# Altium PCB STB_LightBoard.PcbDoc (part 12 of 31)
Units mm, origin at the board's own origin, x right, y up, seen from the top; angles counter-clockwise.
Board outline 348 x 348 mm, 2 copper layers (Top Layer, Bottom Layer), stack 1.672 mm thick; 3807 components, 3391 nets, 11616 pads, 2553 vias.
Unrouted connection lines stored in the file: 68.
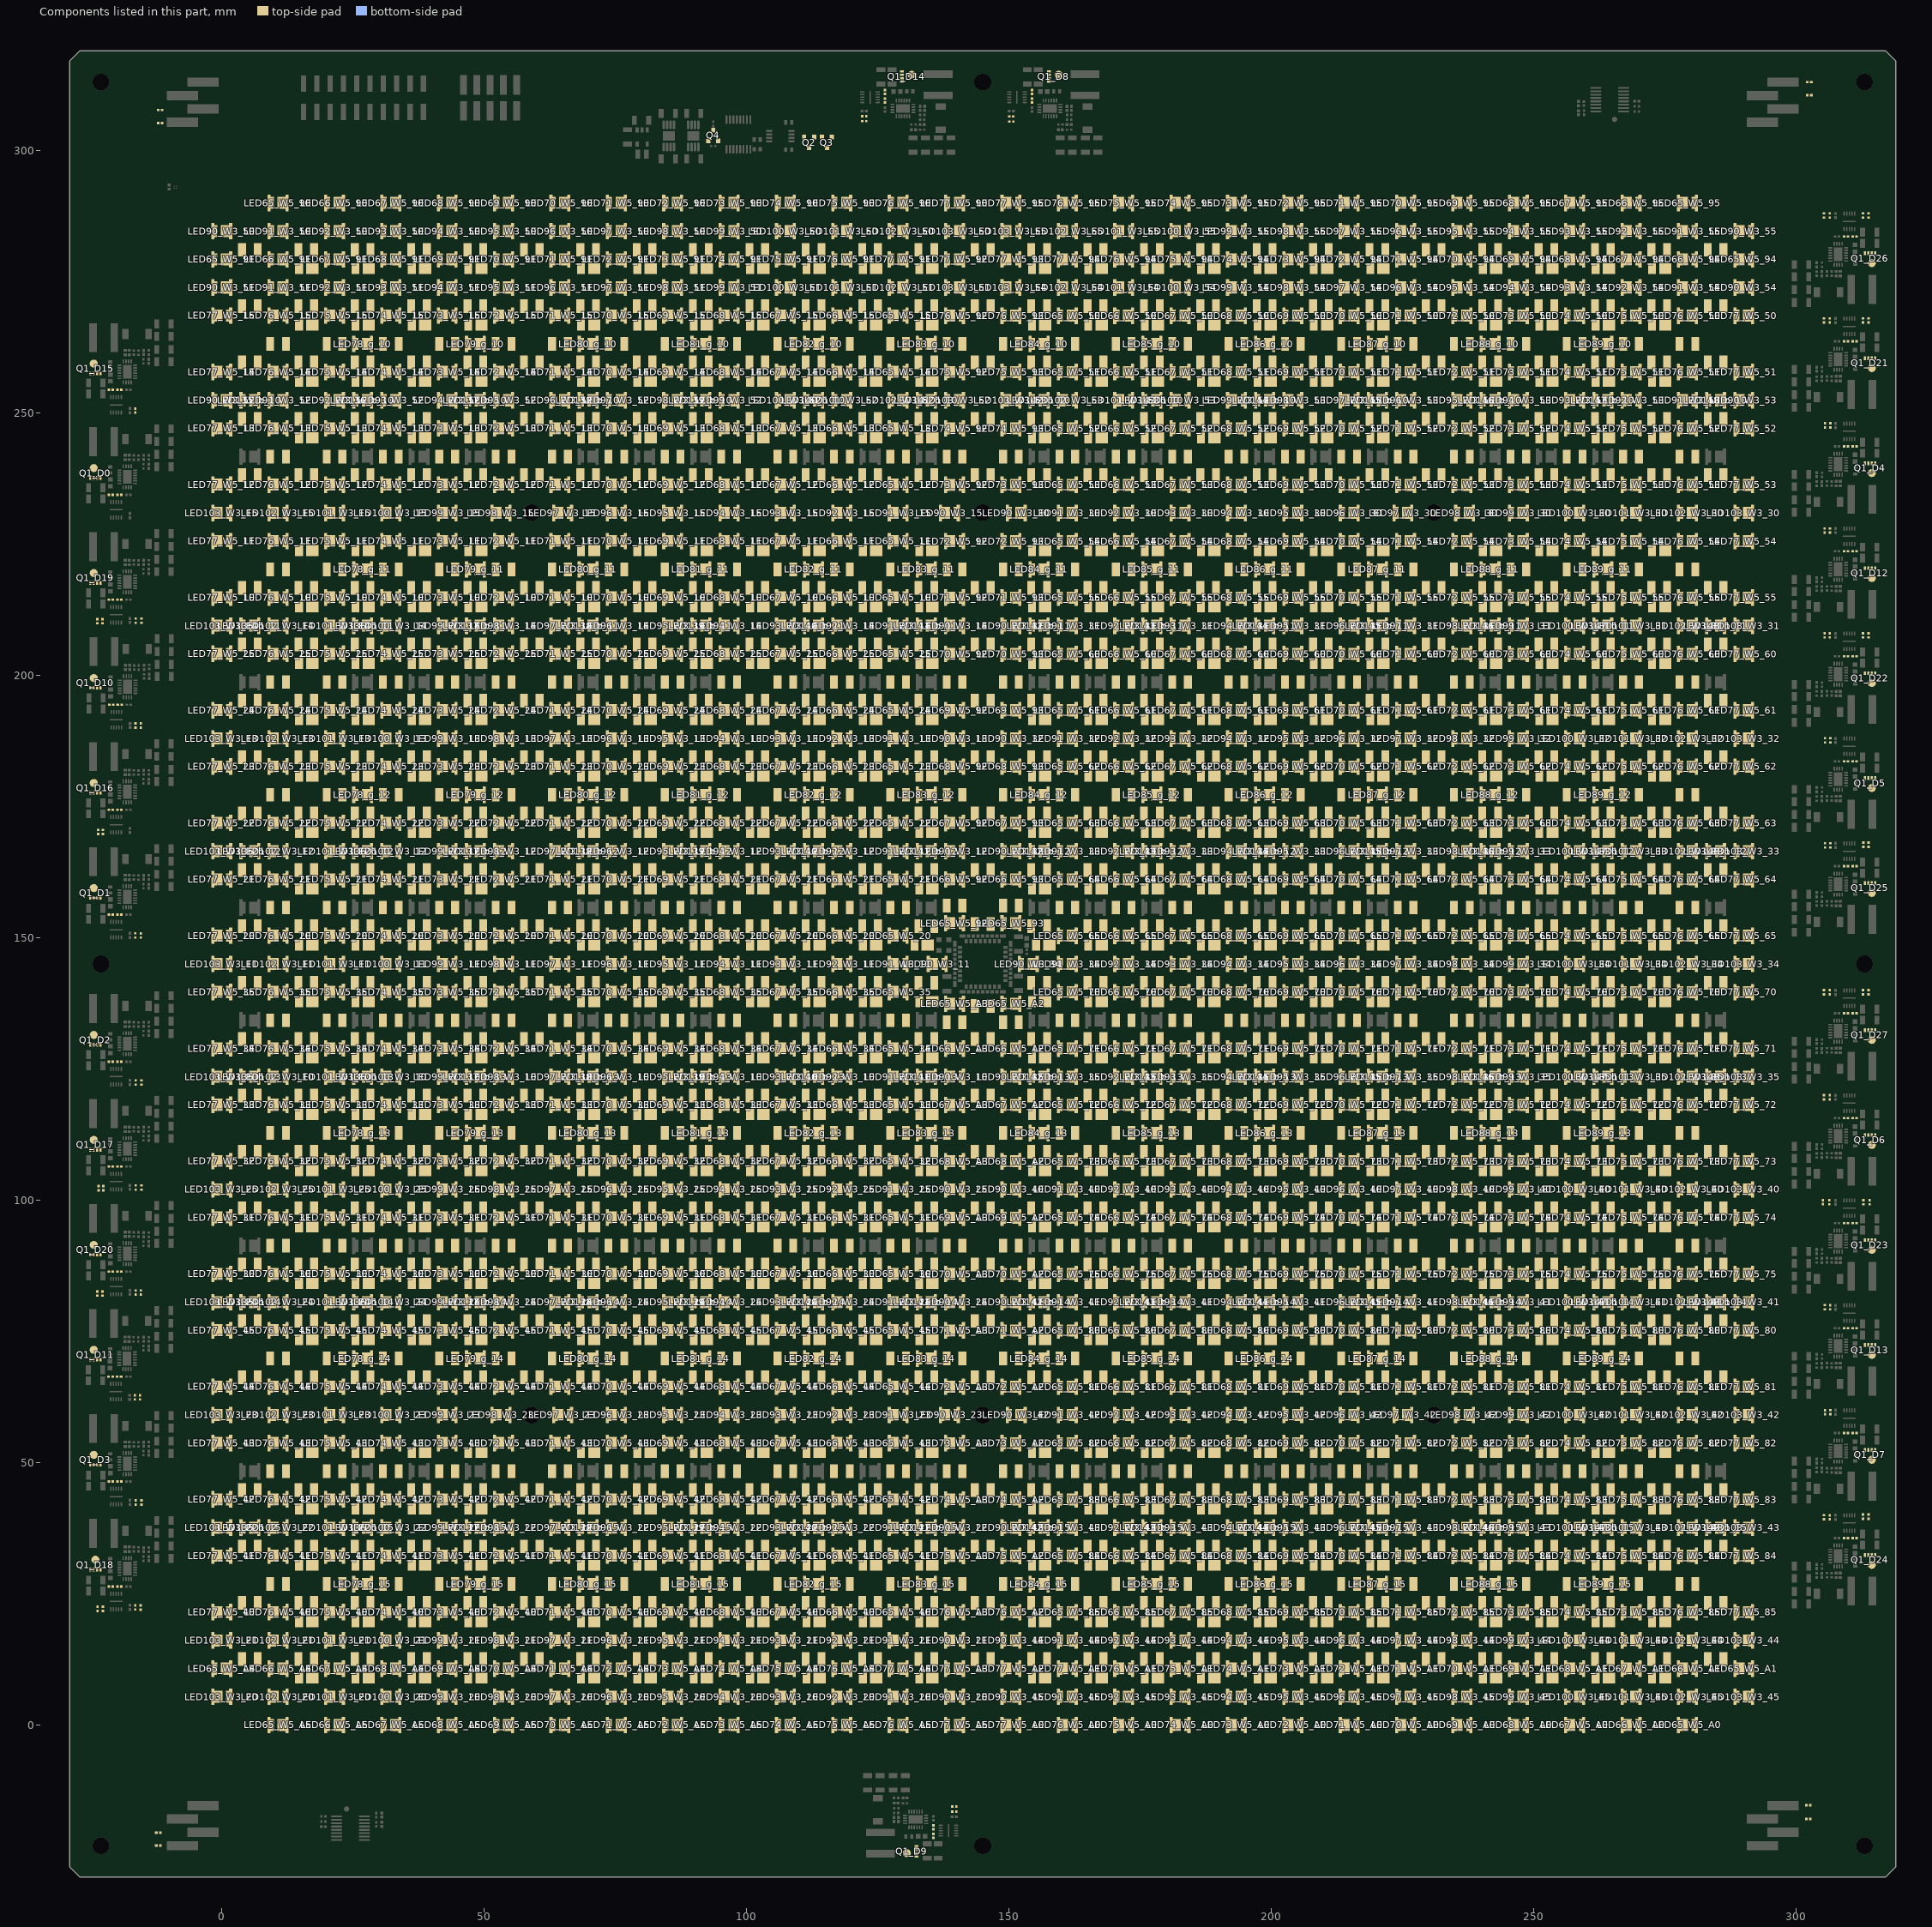
[diagram p12: the components of this part, seen from the top]

## Part data (continued)
LED15_IR940_10 LED15_IR940_11 LED15_IR940_12 LED15_IR940_13 LED15_IR940_14 LED15_IR940_15 LED15_IR940_20 LED15_IR940_21 LED15_IR940_22 LED15_IR940_23 LED15_IR940_24 LED15_IR940_25 LED15_IR940_30 LED15_IR940_31 LED15_IR940_32 LED15_IR940_33 LED15_IR940_34 LED15_IR940_35 LED15_IR940_40 LED15_IR940_41 LED15_IR940_42 LED15_IR940_43 LED15_IR940_44 LED15_IR940_45 LED16_IR940_10 LED16_IR940_11 LED16_IR940_12 LED16_IR940_13 LED16_IR940_14 LED16_IR940_15 LED16_IR940_20 LED16_IR940_21 LED16_IR940_22 LED16_IR940_23 LED16_IR940_24 LED16_IR940_25 LED16_IR940_30 LED16_IR940_31 LED16_IR940_32 LED16_IR940_33 LED16_IR940_34 LED16_IR940_35 LED16_IR940_40 LED16_IR940_41 LED16_IR940_42 LED16_IR940_43 LED16_IR940_44 LED16_IR940_45 LED17_IR940_10 LED17_IR940_11 LED17_IR940_12 LED17_IR940_13 LED17_IR940_14 LED17_IR940_15 LED17_IR940_20 LED17_IR940_21 LED17_IR940_22 LED17_IR940_23 LED17_IR940_24 LED17_IR940_25 LED17_IR940_30 LED17_IR940_31 LED17_IR940_32 LED17_IR940_33 LED17_IR940_34 LED17_IR940_35 LED17_IR940_40 LED17_IR940_41 LED17_IR940_42 LED17_IR940_43 LED17_IR940_44 LED17_IR940_45 LED18_IR940_10 LED18_IR940_11 LED18_IR940_12 LED18_IR940_13 LED18_IR940_14 LED18_IR940_15 LED18_IR940_20 LED18_IR940_21 LED18_IR940_22 LED18_IR940_23 LED18_IR940_24 LED18_IR940_25 LED18_IR940_30 LED18_IR940_31 LED18_IR940_32 LED18_IR940_33 LED18_IR940_34 LED18_IR940_35 LED18_IR940_40 LED18_IR940_41 LED18_IR940_42 LED18_IR940_43 LED18_IR940_44 LED18_IR940_45 LED19_IR940_10 LED19_IR940_11 LED19_IR940_12 LED19_IR940_13 LED19_IR940_14 LED19_IR940_15 LED19_IR940_20 LED19_IR940_21 LED19_IR940_22 LED19_IR940_23 LED19_IR940_24 LED19_IR940_25 LED19_IR940_30 LED19_IR940_31 LED19_IR940_32 LED19_IR940_33 LED19_IR940_34 LED19_IR940_35 LED19_IR940_40 LED19_IR940_41 LED19_IR940_42 LED19_IR940_43 LED19_IR940_44 LED19_IR940_45 LED20_IR940_10 LED20_IR940_11 LED20_IR940_12 LED20_IR940_13 LED20_IR940_14 LED20_IR940_15 LED20_IR940_20 LED20_IR940_21 LED20_IR940_22 LED20_IR940_23 LED20_IR940_24 LED20_IR940_25 LED20_IR940_30 LED20_IR940_31 LED20_IR940_32 LED20_IR940_33 LED20_IR940_34 LED20_IR940_35 LED20_IR940_40 LED20_IR940_41 LED20_IR940_42 LED20_IR940_43 LED20_IR940_44 LED20_IR940_45 LED21_IR940_10 LED21_IR940_11 LED21_IR940_12 LED21_IR940_13 LED21_IR940_14 LED21_IR940_15 LED21_IR940_20 LED21_IR940_21 LED21_IR940_22 LED21_IR940_23 LED21_IR940_24 LED21_IR940_25 LED21_IR940_30 LED21_IR940_31 LED21_IR940_32 LED21_IR940_33 LED21_IR940_34 LED21_IR940_35 LED21_IR940_40 LED21_IR940_41 LED21_IR940_42 LED21_IR940_43 LED21_IR940_44 LED21_IR940_45 LED22_IR940_10 LED22_IR940_11 LED22_IR940_12 LED22_IR940_13 LED22_IR940_14 LED22_IR940_15 LED22_IR940_20 LED22_IR940_21 LED22_IR940_22 LED22_IR940_23 LED22_IR940_24 LED22_IR940_25 LED22_IR940_30 LED22_IR940_31 LED22_IR940_32 LED22_IR940_33 LED22_IR940_34 LED22_IR940_35 LED22_IR940_40 LED22_IR940_41 LED22_IR940_42 LED22_IR940_43 LED22_IR940_44 LED22_IR940_45 LED23_IR940_10 LED23_IR940_11 LED23_IR940_12 LED23_IR940_13 LED23_IR940_14 LED23_IR940_15 LED23_IR940_20 LED23_IR940_21 LED23_IR940_22 LED23_IR940_23 LED23_IR940_24 LED23_IR940_25 LED23_IR940_30 LED23_IR940_31 LED23_IR940_32 LED23_IR940_33 LED23_IR940_34 LED23_IR940_35 LED23_IR940_40 LED23_IR940_41 LED23_IR940_42 LED23_IR940_43 LED23_IR940_44 LED23_IR940_45 LED24_IR940_10 LED24_IR940_11 LED24_IR940_12 LED24_IR940_13 LED24_IR940_14 LED24_IR940_15 LED24_IR940_20 LED24_IR940_21 LED24_IR940_22 LED24_IR940_23 LED24_IR940_24 LED24_IR940_25 LED24_IR940_30 LED24_IR940_31 LED24_IR940_32 LED24_IR940_33 LED24_IR940_34 LED24_IR940_35 LED24_IR940_40 LED24_IR940_41 LED24_IR940_42 LED24_IR940_43 LED24_IR940_44 LED24_IR940_45 LED25_IR940_10 LED25_IR940_11 LED25_IR940_12 LED25_IR940_13 LED25_IR940_14 LED25_IR940_15 LED25_IR940_20 LED25_IR940_21 LED25_IR940_22 LED25_IR940_23 LED25_IR940_24 LED25_IR940_25 LED25_IR940_30 LED25_IR940_31 LED25_IR940_32 LED25_IR940_33 LED25_IR940_34 LED25_IR940_35 LED25_IR940_40 LED25_IR940_41 LED25_IR940_42 LED25_IR940_43 LED25_IR940_44 LED25_IR940_45 LED26_IR940_10 LED26_IR940_11 LED26_IR940_12 LED26_IR940_13 LED26_IR940_14 LED26_IR940_15 LED26_IR940_20 LED26_IR940_21 LED26_IR940_22 LED26_IR940_23 LED26_IR940_24 LED26_IR940_25 LED26_IR940_30 LED26_IR940_31 LED26_IR940_32 LED26_IR940_33 LED26_IR940_34 LED26_IR940_35 LED26_IR940_40 LED26_IR940_41 LED26_IR940_42 LED26_IR940_43 LED26_IR940_44 LED26_IR940_45 LED27_IR940_10 LED27_IR940_11 LED27_IR940_12 LED27_IR940_13 LED27_IR940_14 LED27_IR940_15 LED27_IR940_20 LED27_IR940_21 LED27_IR940_22 LED27_IR940_23 LED27_IR940_24 LED27_IR940_25 LED27_IR940_30 LED27_IR940_31 LED27_IR940_32 LED27_IR940_33 LED27_IR940_34 LED27_IR940_35 LED27_IR940_40 LED27_IR940_41 LED27_IR940_42 LED27_IR940_43 LED27_IR940_44 LED27_IR940_45 LED28_IR940_10 LED28_IR940_11 LED28_IR940_12 LED28_IR940_13 LED28_IR940_14 LED28_IR940_15 LED28_IR940_20 LED28_IR940_21 LED28_IR940_22 LED28_IR940_23 LED28_IR940_24 LED28_IR940_25 LED28_IR940_30 LED28_IR940_31 LED28_IR940_32 LED28_IR940_33 LED28_IR940_34 LED28_IR940_35 LED28_IR940_40 LED28_IR940_41 LED28_IR940_42 LED28_IR940_43 LED28_IR940_44 LED28_IR940_45 LED29_IR940_10 LED29_IR940_11 LED29_IR940_12 LED29_IR940_13 LED29_IR940_14 LED29_IR940_15 LED29_IR940_20 LED29_IR940_21 LED29_IR940_22 LED29_IR940_23 LED29_IR940_24 LED29_IR940_25 LED29_IR940_30 LED29_IR940_31 LED29_IR940_32 LED29_IR940_33 LED29_IR940_34 LED29_IR940_35 LED29_IR940_40 LED29_IR940_41 LED29_IR940_42 LED29_IR940_43 LED29_IR940_44 LED29_IR940_45 LED30_IR940_10 LED30_IR940_11 LED30_IR940_12 LED30_IR940_13 LED30_IR940_14 LED30_IR940_15 LED30_IR940_20 LED30_IR940_21 LED30_IR940_22 LED30_IR940_23 LED30_IR940_24 LED30_IR940_25 LED30_IR940_30 LED30_IR940_31 LED30_IR940_32 LED30_IR940_33 LED30_IR940_34 LED30_IR940_35 LED30_IR940_40 LED30_IR940_41 LED30_IR940_42 LED30_IR940_43 LED30_IR940_44 LED30_IR940_45 LED31_IR940_10 LED31_IR940_11 LED31_IR940_12 LED31_IR940_13 LED31_IR940_14 LED31_IR940_15 LED31_IR940_20 LED31_IR940_21 LED31_IR940_22 LED31_IR940_23 LED31_IR940_24 LED31_IR940_25 LED31_IR940_30 LED31_IR940_31 LED31_IR940_32 LED31_IR940_33 LED31_IR940_34 LED31_IR940_35 LED31_IR940_40 LED31_IR940_41 LED31_IR940_42 LED31_IR940_43 LED31_IR940_44 LED31_IR940_45 LED32_IR940_10 LED32_IR940_11 LED32_IR940_12 LED32_IR940_13 LED32_IR940_14 LED32_IR940_15 LED32_IR940_20 LED32_IR940_21 LED32_IR940_22 LED32_IR940_23 LED32_IR940_24 LED32_IR940_25 LED32_IR940_30 LED32_IR940_31 LED32_IR940_32 LED32_IR940_33 LED32_IR940_34 LED32_IR940_35 LED32_IR940_40 LED32_IR940_41 LED32_IR940_42 LED32_IR940_43 LED32_IR940_44 LED32_IR940_45 LED33_IR940_10 LED33_IR940_11 LED33_IR940_12 LED33_IR940_13 LED33_IR940_14 LED33_IR940_15 LED33_IR940_20 LED33_IR940_21 LED33_IR940_22 LED33_IR940_23 LED33_IR940_24 LED33_IR940_25 LED33_IR940_30 LED33_IR940_31 LED33_IR940_32 LED33_IR940_33 LED33_IR940_34 LED33_IR940_35 LED33_IR940_40 LED33_IR940_41 LED33_IR940_42 LED33_IR940_43 LED33_IR940_44 LED33_IR940_45 LED34_IR940_10 LED34_IR940_11 LED34_IR940_12 LED34_IR940_13 LED34_IR940_14 LED34_IR940_15 LED34_IR940_20 LED34_IR940_21 LED34_IR940_22 LED34_IR940_23 LED34_IR940_24 LED34_IR940_25 LED34_IR940_30 LED34_IR940_31 LED34_IR940_32 LED34_IR940_33 LED34_IR940_34 LED34_IR940_35 LED34_IR940_40 LED34_IR940_41 LED34_IR940_42 LED34_IR940_43 LED34_IR940_44 LED34_IR940_45 LED35_IR940_10 LED35_IR940_11 LED35_IR940_12 LED35_IR940_13 LED35_IR940_14 LED35_IR940_15 LED35_IR940_20 LED35_IR940_21 LED35_IR940_22 LED35_IR940_23 LED35_IR940_24 LED35_IR940_25 LED35_IR940_30 LED35_IR940_31 LED35_IR940_32 LED35_IR940_33 LED35_IR940_34 LED35_IR940_35 LED35_IR940_40 LED35_IR940_41 LED35_IR940_42 LED35_IR940_43 LED35_IR940_44 LED35_IR940_45 LED36_IR940_10 LED36_IR940_11 LED36_IR940_12 LED36_IR940_13 LED36_IR940_14 LED36_IR940_15 LED36_IR940_20 LED36_IR940_21 LED36_IR940_22 LED36_IR940_23 LED36_IR940_24 LED36_IR940_25 LED36_IR940_30 LED36_IR940_31 LED36_IR940_32 LED36_IR940_33 LED36_IR940_34 LED36_IR940_35 LED36_IR940_40 LED36_IR940_41 LED36_IR940_42 LED36_IR940_43 LED36_IR940_44 LED36_IR940_45 LED37_IR940_10 LED37_IR940_11 LED37_IR940_12 LED37_IR940_13 LED37_IR940_14 LED37_IR940_15 LED37_IR940_20 LED37_IR940_21 LED37_IR940_22 LED37_IR940_23 LED37_IR940_24 LED37_IR940_25 LED37_IR940_30 LED37_IR940_31 LED37_IR940_32 LED37_IR940_33 LED37_IR940_34 LED37_IR940_35 LED37_IR940_40 LED37_IR940_41 LED37_IR940_42 LED37_IR940_43 LED37_IR940_44 LED37_IR940_45 LED38_IR940_10 LED38_IR940_11 LED38_IR940_12 LED38_IR940_13 LED38_IR940_14 LED38_IR940_15 LED38_IR940_20 LED38_IR940_21 LED38_IR940_22 LED38_IR940_23 LED38_IR940_24 LED38_IR940_25 LED38_IR940_30 LED38_IR940_31 LED38_IR940_32 LED38_IR940_33 LED38_IR940_34 LED38_IR940_35 LED38_IR940_40 LED38_IR940_41 LED38_IR940_42 LED38_IR940_43 LED38_IR940_44 LED38_IR940_45 LED39_IR940_10 LED39_IR940_11 LED39_IR940_12 LED39_IR940_13 LED39_IR940_14 LED39_IR940_15 LED39_IR940_20 LED39_IR940_21 LED39_IR940_22 LED39_IR940_23 LED39_IR940_24 LED39_IR940_25 LED39_IR940_30 LED39_IR940_31 LED39_IR940_32 LED39_IR940_33 LED39_IR940_34 LED39_IR940_35 LED39_IR940_40 LED39_IR940_41 LED39_IR940_42 LED39_IR940_43 LED39_IR940_44 LED39_IR940_45 LED40_IR940_10 LED40_IR940_11 LED40_IR940_12 LED40_IR940_13 LED40_IR940_14 LED40_IR940_15 LED40_IR940_20 LED40_IR940_21 LED40_IR940_22 LED40_IR940_23 LED40_IR940_24 LED40_IR940_25 LED40_IR940_30 LED40_IR940_31 LED40_IR940_32 LED40_IR940_33 LED40_IR940_34 LED40_IR940_35 LED40_IR940_40 LED40_IR940_41 LED40_IR940_42 LED40_IR940_43 LED40_IR940_44 LED40_IR940_45 LED41_IR940_10 LED41_IR940_11 LED41_IR940_12 LED41_IR940_13 LED41_IR940_14 LED41_IR940_15 LED41_IR940_20 LED41_IR940_21 LED41_IR940_22 LED41_IR940_23 LED41_IR940_24 LED41_IR940_25 LED41_IR940_30 LED41_IR940_31 LED41_IR940_32 LED41_IR940_33 LED41_IR940_34 LED41_IR940_35 LED41_IR940_40 LED41_IR940_41 LED41_IR940_42 LED41_IR940_43 LED41_IR940_44 LED41_IR940_45: library part CMP-02057-1, "Infrared (IR) Emitter 940nm 1.4V 70mA 13.4mW/sr @ 70mA (Typ) 120° 2-PLCC", Current - DC Forward (If) (Max)=70mA, Manufacturer=Broadcom, Mfr="Broadcom Limited", Operating Temperature="-40°C ~ 100°C", Package / Case=2-PLCC, Supplier Part Number 1=516-AREM-90C0-KL000DKR-ND, Voltage - Forward (Vf) (Typ)=1.4V, Base Product Number=AREM, Category=Uncategorized, Manufacturer Part Number=AREM-90C0-KL000, Mounting Type="Surface Mount", Orientation="Top View", Pricing 1="1=0.62000, 10=0.40500, 100=0.26800, 1000=0.20689 (USD)", Radiant Intensity (Ie) Min @ If="13.4mW/sr @ 70mA (Typ)", RoHS=No, Series=AREM-90C0-xx000, Stock 1=47780, Supplier 1=Digi-Key, Type="Infrared (IR)", Viewing Angle=120°, Wavelength=940nm
LED43_IR740_10 LED43_IR740_11 LED43_IR740_12 LED43_IR740_13 LED43_IR740_14 LED43_IR740_15 LED43_IR740_20 LED43_IR740_21 LED43_IR740_22 LED43_IR740_23 LED43_IR740_24 LED43_IR740_25 LED43_IR740_30 LED43_IR740_31 LED43_IR740_32 LED43_IR740_33 LED43_IR740_34 LED43_IR740_35 LED43_IR740_40 LED43_IR740_41 LED43_IR740_42 LED43_IR740_43 LED43_IR740_44 LED43_IR740_45 LED44_IR740_10 LED44_IR740_11 LED44_IR740_12 LED44_IR740_13 LED44_IR740_14 LED44_IR740_15 LED44_IR740_20 LED44_IR740_21 LED44_IR740_22 LED44_IR740_23 LED44_IR740_24 LED44_IR740_25 LED44_IR740_30 LED44_IR740_31 LED44_IR740_32 LED44_IR740_33 LED44_IR740_34 LED44_IR740_35 LED44_IR740_40 LED44_IR740_41 LED44_IR740_42 LED44_IR740_43 LED44_IR740_44 LED44_IR740_45 LED45_IR740_10 LED45_IR740_11 LED45_IR740_12 LED45_IR740_13 LED45_IR740_14 LED45_IR740_15 LED45_IR740_20 LED45_IR740_21 LED45_IR740_22 LED45_IR740_23 LED45_IR740_24 LED45_IR740_25 LED45_IR740_30 LED45_IR740_31 LED45_IR740_32 LED45_IR740_33 LED45_IR740_34 LED45_IR740_35 LED45_IR740_40 LED45_IR740_41 LED45_IR740_42 LED45_IR740_43 LED45_IR740_44 LED45_IR740_45 LED46_IR740_10 LED46_IR740_11 LED46_IR740_12 LED46_IR740_13 LED46_IR740_14 LED46_IR740_15 LED46_IR740_20 LED46_IR740_21 LED46_IR740_22 LED46_IR740_23 LED46_IR740_24 LED46_IR740_25 LED46_IR740_30 LED46_IR740_31 LED46_IR740_32 LED46_IR740_33 LED46_IR740_34 LED46_IR740_35 LED46_IR740_40 LED46_IR740_41 LED46_IR740_42 LED46_IR740_43 LED46_IR740_44 LED46_IR740_45 LED47_IR740_10 LED47_IR740_11 LED47_IR740_12 LED47_IR740_13 LED47_IR740_14 LED47_IR740_15 LED47_IR740_20 LED47_IR740_21 LED47_IR740_22 LED47_IR740_23 LED47_IR740_24 LED47_IR740_25 LED47_IR740_30 LED47_IR740_31 LED47_IR740_32 LED47_IR740_33 LED47_IR740_34 LED47_IR740_35 LED47_IR740_40 LED47_IR740_41 LED47_IR740_42 LED47_IR740_43 LED47_IR740_44 LED47_IR740_45 LED48_IR740_10 LED48_IR740_11 LED48_IR740_12 LED48_IR740_13 LED48_IR740_14 LED48_IR740_15 LED48_IR740_20 LED48_IR740_21 LED48_IR740_22 LED48_IR740_23 LED48_IR740_24 LED48_IR740_25 LED48_IR740_30 LED48_IR740_31 LED48_IR740_32 LED48_IR740_33 LED48_IR740_34 LED48_IR740_35 LED48_IR740_40 LED48_IR740_41 LED48_IR740_42 LED48_IR740_43 LED48_IR740_44 LED48_IR740_45 LED49_IR740_10 LED49_IR740_11 LED49_IR740_12 LED49_IR740_13 LED49_IR740_14 LED49_IR740_15 LED49_IR740_20 LED49_IR740_21 LED49_IR740_22 LED49_IR740_23 LED49_IR740_24 LED49_IR740_25 LED49_IR740_30 LED49_IR740_31 LED49_IR740_32 LED49_IR740_33 LED49_IR740_34 LED49_IR740_35 LED49_IR740_40 LED49_IR740_41 LED49_IR740_42 LED49_IR740_43 LED49_IR740_44 LED49_IR740_45 LED50_IR740_10 LED50_IR740_11 LED50_IR740_12 LED50_IR740_13 LED50_IR740_14 LED50_IR740_15 LED50_IR740_20 LED50_IR740_21 LED50_IR740_22 LED50_IR740_23 LED50_IR740_24 LED50_IR740_25 LED50_IR740_30 LED50_IR740_31 LED50_IR740_32 LED50_IR740_33 LED50_IR740_34 LED50_IR740_35 LED50_IR740_40 LED50_IR740_41 LED50_IR740_42 LED50_IR740_43 LED50_IR740_44 LED50_IR740_45 LED51_IR740_10 LED51_IR740_11 LED51_IR740_12 LED51_IR740_13 LED51_IR740_14 LED51_IR740_15 LED51_IR740_20 LED51_IR740_21 LED51_IR740_22 LED51_IR740_23 LED51_IR740_24 LED51_IR740_25 LED51_IR740_30 LED51_IR740_31 LED51_IR740_32 LED51_IR740_33 LED51_IR740_34 LED51_IR740_35 LED51_IR740_40 LED51_IR740_41 LED51_IR740_42 LED51_IR740_43 LED51_IR740_44 LED51_IR740_45 LED52_IR740_10 LED52_IR740_11 LED52_IR740_12 LED52_IR740_13 LED52_IR740_14 LED52_IR740_15 LED52_IR740_20 LED52_IR740_21 LED52_IR740_22 LED52_IR740_23 LED52_IR740_24 LED52_IR740_25 LED52_IR740_30 LED52_IR740_31 LED52_IR740_32 LED52_IR740_33 LED52_IR740_34 LED52_IR740_35 LED52_IR740_40 LED52_IR740_41 LED52_IR740_42 LED52_IR740_43 LED52_IR740_44 LED52_IR740_45 LED53_IR740_10 LED53_IR740_11 LED53_IR740_12 LED53_IR740_13 LED53_IR740_14 LED53_IR740_15 LED53_IR740_20 LED53_IR740_21 LED53_IR740_22 LED53_IR740_23 LED53_IR740_24 LED53_IR740_25 LED53_IR740_30 LED53_IR740_31 LED53_IR740_32 LED53_IR740_33 LED53_IR740_34 LED53_IR740_35 LED53_IR740_40 LED53_IR740_41 LED53_IR740_42 LED53_IR740_43 LED53_IR740_44 LED53_IR740_45 LED54_IR740_10 LED54_IR740_11 LED54_IR740_12 LED54_IR740_13 LED54_IR740_14 LED54_IR740_15 LED54_IR740_20 LED54_IR740_21 LED54_IR740_22 LED54_IR740_23 LED54_IR740_24 LED54_IR740_25 LED54_IR740_30 LED54_IR740_31 LED54_IR740_32 LED54_IR740_33 LED54_IR740_34 LED54_IR740_35 LED54_IR740_40 LED54_IR740_41 LED54_IR740_42 LED54_IR740_43 LED54_IR740_44 LED54_IR740_45 LED55_IR740_10 LED55_IR740_11 LED55_IR740_12 LED55_IR740_13 LED55_IR740_14 LED55_IR740_15 LED55_IR740_20 LED55_IR740_21 LED55_IR740_22 LED55_IR740_23 LED55_IR740_24 LED55_IR740_25 LED55_IR740_30 LED55_IR740_31 LED55_IR740_32 LED55_IR740_33 LED55_IR740_34 LED55_IR740_35 LED55_IR740_40 LED55_IR740_41 LED55_IR740_42 LED55_IR740_43 LED55_IR740_44 LED55_IR740_45 LED56_IR740_10 LED56_IR740_11 LED56_IR740_12 LED56_IR740_13 LED56_IR740_14 LED56_IR740_15 LED56_IR740_20 LED56_IR740_21 LED56_IR740_22 LED56_IR740_23 LED56_IR740_24 LED56_IR740_25 LED56_IR740_30 LED56_IR740_31 LED56_IR740_32 LED56_IR740_33 LED56_IR740_34 LED56_IR740_35 LED56_IR740_40 LED56_IR740_41 LED56_IR740_42 LED56_IR740_43 LED56_IR740_44 LED56_IR740_45 LED57_IR740_10 LED57_IR740_11 LED57_IR740_12 LED57_IR740_13 LED57_IR740_14 LED57_IR740_15 LED57_IR740_20 LED57_IR740_21 LED57_IR740_22 LED57_IR740_23 LED57_IR740_24 LED57_IR740_25 LED57_IR740_30 LED57_IR740_31 LED57_IR740_32 LED57_IR740_33 LED57_IR740_34 LED57_IR740_35 LED57_IR740_40 LED57_IR740_41 LED57_IR740_42 LED57_IR740_43 LED57_IR740_44 LED57_IR740_45 LED58_IR740_10 LED58_IR740_11 LED58_IR740_12 LED58_IR740_13 LED58_IR740_14 LED58_IR740_15 LED58_IR740_20 LED58_IR740_21 LED58_IR740_22 LED58_IR740_23 LED58_IR740_24 LED58_IR740_25 LED58_IR740_30 LED58_IR740_31 LED58_IR740_32 LED58_IR740_33 LED58_IR740_34 LED58_IR740_35 LED58_IR740_40 LED58_IR740_41 LED58_IR740_42 LED58_IR740_43 LED58_IR740_44 LED58_IR740_45 LED59_IR740_10 LED59_IR740_11 LED59_IR740_12 LED59_IR740_13 LED59_IR740_14 LED59_IR740_15 LED59_IR740_20 LED59_IR740_21 LED59_IR740_22 LED59_IR740_23 LED59_IR740_24 LED59_IR740_25 LED59_IR740_30 LED59_IR740_31 LED59_IR740_32 LED59_IR740_33 LED59_IR740_34 LED59_IR740_35 LED59_IR740_40 LED59_IR740_41 LED59_IR740_42 LED59_IR740_43 LED59_IR740_44 LED59_IR740_45 LED60_IR740_10 LED60_IR740_11 LED60_IR740_12 LED60_IR740_13 LED60_IR740_14 LED60_IR740_15 LED60_IR740_20 LED60_IR740_21 LED60_IR740_22 LED60_IR740_23 LED60_IR740_24 LED60_IR740_25 LED60_IR740_30 LED60_IR740_31 LED60_IR740_32 LED60_IR740_33 LED60_IR740_34 LED60_IR740_35 LED60_IR740_40 LED60_IR740_41 LED60_IR740_42 LED60_IR740_43 LED60_IR740_44 LED60_IR740_45 LED61_IR740_10 LED61_IR740_11 LED61_IR740_12 LED61_IR740_13 LED61_IR740_14 LED61_IR740_15 LED61_IR740_20 LED61_IR740_21 LED61_IR740_22 LED61_IR740_23 LED61_IR740_24 LED61_IR740_25 LED61_IR740_30 LED61_IR740_31 LED61_IR740_32 LED61_IR740_33 LED61_IR740_34 LED61_IR740_35 LED61_IR740_40 LED61_IR740_41 LED61_IR740_42 LED61_IR740_43 LED61_IR740_44 LED61_IR740_45 LED62_IR740_10 LED62_IR740_11 LED62_IR740_12 LED62_IR740_13 LED62_IR740_14 LED62_IR740_15 LED62_IR740_20 LED62_IR740_21 LED62_IR740_22 LED62_IR740_23 LED62_IR740_24 LED62_IR740_25 LED62_IR740_30 LED62_IR740_31 LED62_IR740_32 LED62_IR740_33 LED62_IR740_34 LED62_IR740_35 LED62_IR740_40 LED62_IR740_41 LED62_IR740_42 LED62_IR740_43 LED62_IR740_44 LED62_IR740_45 LED63_IR740_10 LED63_IR740_11 LED63_IR740_12 LED63_IR740_13 LED63_IR740_14 LED63_IR740_15 LED63_IR740_20 LED63_IR740_21 LED63_IR740_22 LED63_IR740_23 LED63_IR740_24 LED63_IR740_25 LED63_IR740_30 LED63_IR740_31 LED63_IR740_32 LED63_IR740_33 LED63_IR740_34 LED63_IR740_35 LED63_IR740_40 LED63_IR740_41 LED63_IR740_42 LED63_IR740_43 LED63_IR740_44 LED63_IR740_45 LED64_IR740_10 LED64_IR740_11 LED64_IR740_12 LED64_IR740_13 LED64_IR740_14 LED64_IR740_15 LED64_IR740_20 LED64_IR740_21 LED64_IR740_22 LED64_IR740_23 LED64_IR740_24 LED64_IR740_25 LED64_IR740_30 LED64_IR740_31 LED64_IR740_32 LED64_IR740_33 LED64_IR740_34 LED64_IR740_35 LED64_IR740_40 LED64_IR740_41 LED64_IR740_42 LED64_IR740_43 LED64_IR740_44 LED64_IR740_45: library part CMP-02055-1, "Infrared (IR) Emitter 740nm 1.8V 100mA 5.6mW/sr @ 50mA 120° 1411 (3528 Metric)", Current - DC Forward (If) (Max)=100mA, Manufacturer=QT-Brightek, Mfr="QT Brightek (QTB)", Operating Temperature="-40°C ~ 80°C", Package / Case="1411 (3528 Metric)", Supplier Part Number 1=1516-QBHP686-IR4DCT-ND, Voltage - Forward (Vf) (Typ)=1.8V, Base Product Number=QBHP686, Manufacturer Part Number=QBHP686-IR4D, Mounting Type="Surface Mount", Orientation="Top View", Pricing 1="1=0.92000, 10=0.60000, 100=0.39330, 1000=0.31050 (USD)", Radiant Intensity (Ie) Min @ If="5.6mW/sr @ 50mA", RoHS=No, Series="Mid Power", Stock 1=1500, Supplier 1=Digi-Key, Type="Infrared (IR)", Viewing Angle=120°, Wavelength=740nm
LED65_W5_10 LED65_W5_11 LED65_W5_12 LED65_W5_13 LED65_W5_14 LED65_W5_15 LED65_W5_20 LED65_W5_21 LED65_W5_22 LED65_W5_23 LED65_W5_24 LED65_W5_25 LED65_W5_30 LED65_W5_31 LED65_W5_32 LED65_W5_33 LED65_W5_34 LED65_W5_35 LED65_W5_40 LED65_W5_41 LED65_W5_42 LED65_W5_43 LED65_W5_44 LED65_W5_45 LED65_W5_50 LED65_W5_51 LED65_W5_52 LED65_W5_53 LED65_W5_54 LED65_W5_55 LED65_W5_60 LED65_W5_61 LED65_W5_62 LED65_W5_63 LED65_W5_64 LED65_W5_65 LED65_W5_70 LED65_W5_71 LED65_W5_72 LED65_W5_73 LED65_W5_74 LED65_W5_75 LED65_W5_80 LED65_W5_81 LED65_W5_82 LED65_W5_83 LED65_W5_84 LED65_W5_85 LED65_W5_90 LED65_W5_91 LED65_W5_92 LED65_W5_93 LED65_W5_94 LED65_W5_95 LED65_W5_A0 LED65_W5_A1 LED65_W5_A2 LED65_W5_A3 LED65_W5_A4 LED65_W5_A5 LED66_W5_10 LED66_W5_11 LED66_W5_12 LED66_W5_13 LED66_W5_14 LED66_W5_15 LED66_W5_20 LED66_W5_21 LED66_W5_22 LED66_W5_23 LED66_W5_24 LED66_W5_25 LED66_W5_30 LED66_W5_31 LED66_W5_32 LED66_W5_33 LED66_W5_34 LED66_W5_35 LED66_W5_40 LED66_W5_41 LED66_W5_42 LED66_W5_43 LED66_W5_44 LED66_W5_45 LED66_W5_50 LED66_W5_51 LED66_W5_52 LED66_W5_53 LED66_W5_54 LED66_W5_55 LED66_W5_60 LED66_W5_61 LED66_W5_62 LED66_W5_63 LED66_W5_64 LED66_W5_65 LED66_W5_70 LED66_W5_71 LED66_W5_72 LED66_W5_73 LED66_W5_74 LED66_W5_75 LED66_W5_80 LED66_W5_81 LED66_W5_82 LED66_W5_83 LED66_W5_84 LED66_W5_85 LED66_W5_90 LED66_W5_91 LED66_W5_92 LED66_W5_93 LED66_W5_94 LED66_W5_95 LED66_W5_A0 LED66_W5_A1 LED66_W5_A2 LED66_W5_A3 LED66_W5_A4 LED66_W5_A5 LED67_W5_10 LED67_W5_11 LED67_W5_12 LED67_W5_13 LED67_W5_14 LED67_W5_15 LED67_W5_20 LED67_W5_21 LED67_W5_22 LED67_W5_23 LED67_W5_24 LED67_W5_25 LED67_W5_30 LED67_W5_31 LED67_W5_32 LED67_W5_33 LED67_W5_34 LED67_W5_35 LED67_W5_40 LED67_W5_41 LED67_W5_42 LED67_W5_43 LED67_W5_44 LED67_W5_45 LED67_W5_50 LED67_W5_51 LED67_W5_52 LED67_W5_53 LED67_W5_54 LED67_W5_55 LED67_W5_60 LED67_W5_61 LED67_W5_62 LED67_W5_63 LED67_W5_64 LED67_W5_65 LED67_W5_70 LED67_W5_71 LED67_W5_72 LED67_W5_73 LED67_W5_74 LED67_W5_75 LED67_W5_80 LED67_W5_81 LED67_W5_82 LED67_W5_83 LED67_W5_84 LED67_W5_85 LED67_W5_90 LED67_W5_91 LED67_W5_92 LED67_W5_93 LED67_W5_94 LED67_W5_95 LED67_W5_A0 LED67_W5_A1 LED67_W5_A2 LED67_W5_A3 LED67_W5_A4 LED67_W5_A5 LED68_W5_10 LED68_W5_11 LED68_W5_12 LED68_W5_13 LED68_W5_14 LED68_W5_15 LED68_W5_20 LED68_W5_21 LED68_W5_22 LED68_W5_23 LED68_W5_24 LED68_W5_25 LED68_W5_30 LED68_W5_31 LED68_W5_32 LED68_W5_33 LED68_W5_34 LED68_W5_35 LED68_W5_40 LED68_W5_41 LED68_W5_42 LED68_W5_43 LED68_W5_44 LED68_W5_45 LED68_W5_50 LED68_W5_51 LED68_W5_52 LED68_W5_53 LED68_W5_54 LED68_W5_55 LED68_W5_60 LED68_W5_61 LED68_W5_62 LED68_W5_63 LED68_W5_64 LED68_W5_65 LED68_W5_70 LED68_W5_71 LED68_W5_72 LED68_W5_73 LED68_W5_74 LED68_W5_75 LED68_W5_80 LED68_W5_81 LED68_W5_82 LED68_W5_83 LED68_W5_84 LED68_W5_85 LED68_W5_90 LED68_W5_91 LED68_W5_92 LED68_W5_93 LED68_W5_94 LED68_W5_95 LED68_W5_A0 LED68_W5_A1 LED68_W5_A2 LED68_W5_A3 LED68_W5_A4 LED68_W5_A5 LED69_W5_10 LED69_W5_11 LED69_W5_12 LED69_W5_13 LED69_W5_14 LED69_W5_15 LED69_W5_20 LED69_W5_21 LED69_W5_22 LED69_W5_23 LED69_W5_24 LED69_W5_25 LED69_W5_30 LED69_W5_31 LED69_W5_32 LED69_W5_33 LED69_W5_34 LED69_W5_35 LED69_W5_40 LED69_W5_41 LED69_W5_42 LED69_W5_43 LED69_W5_44 LED69_W5_45 LED69_W5_50 LED69_W5_51 LED69_W5_52 LED69_W5_53 LED69_W5_54 LED69_W5_55 LED69_W5_60 LED69_W5_61 LED69_W5_62 LED69_W5_63 LED69_W5_64 LED69_W5_65 LED69_W5_70 LED69_W5_71 LED69_W5_72 LED69_W5_73 LED69_W5_74 LED69_W5_75 LED69_W5_80 LED69_W5_81 LED69_W5_82 LED69_W5_83 LED69_W5_84 LED69_W5_85 LED69_W5_90 LED69_W5_91 LED69_W5_92 LED69_W5_93 LED69_W5_94 LED69_W5_95 LED69_W5_A0 LED69_W5_A1 LED69_W5_A2 LED69_W5_A3 LED69_W5_A4 LED69_W5_A5 LED70_W5_10 LED70_W5_11 LED70_W5_12 LED70_W5_13 LED70_W5_14 LED70_W5_15 LED70_W5_20 LED70_W5_21 LED70_W5_22 LED70_W5_23 LED70_W5_24 LED70_W5_25 LED70_W5_30 LED70_W5_31 LED70_W5_32 LED70_W5_33 LED70_W5_34 LED70_W5_35 LED70_W5_40 LED70_W5_41 LED70_W5_42 LED70_W5_43 LED70_W5_44 LED70_W5_45 LED70_W5_50 LED70_W5_51 LED70_W5_52 LED70_W5_53 LED70_W5_54 LED70_W5_55 LED70_W5_60 LED70_W5_61 LED70_W5_62 LED70_W5_63 LED70_W5_64 LED70_W5_65 LED70_W5_70 LED70_W5_71 LED70_W5_72 LED70_W5_73 LED70_W5_74 LED70_W5_75 LED70_W5_80 LED70_W5_81 LED70_W5_82 LED70_W5_83 LED70_W5_84 LED70_W5_85 LED70_W5_90 LED70_W5_91 LED70_W5_92 LED70_W5_93 LED70_W5_94 LED70_W5_95 LED70_W5_A0 LED70_W5_A1 LED70_W5_A2 LED70_W5_A3 LED70_W5_A4 LED70_W5_A5 LED71_W5_10 LED71_W5_11 LED71_W5_12 LED71_W5_13 LED71_W5_14 LED71_W5_15 LED71_W5_20 LED71_W5_21 LED71_W5_22 LED71_W5_23 LED71_W5_24 LED71_W5_25 LED71_W5_30 LED71_W5_31 LED71_W5_32 LED71_W5_33 LED71_W5_34 LED71_W5_35 LED71_W5_40 LED71_W5_41 LED71_W5_42 LED71_W5_43 LED71_W5_44 LED71_W5_45 LED71_W5_50 LED71_W5_51 LED71_W5_52 LED71_W5_53 LED71_W5_54 LED71_W5_55 LED71_W5_60 LED71_W5_61 LED71_W5_62 LED71_W5_63 LED71_W5_64 LED71_W5_65 LED71_W5_70 LED71_W5_71 LED71_W5_72 LED71_W5_73 LED71_W5_74 LED71_W5_75 LED71_W5_80 LED71_W5_81 LED71_W5_82 LED71_W5_83 LED71_W5_84 LED71_W5_85 LED71_W5_90 LED71_W5_91 LED71_W5_92 LED71_W5_93 LED71_W5_94 LED71_W5_95 LED71_W5_A0 LED71_W5_A1 LED71_W5_A2 LED71_W5_A3 LED71_W5_A4 LED71_W5_A5 LED72_W5_10 LED72_W5_11 LED72_W5_12 LED72_W5_13 LED72_W5_14 LED72_W5_15 LED72_W5_20 LED72_W5_21 LED72_W5_22 LED72_W5_23 LED72_W5_24 LED72_W5_25 LED72_W5_30 LED72_W5_31 LED72_W5_32 LED72_W5_33 LED72_W5_34 LED72_W5_35 LED72_W5_40 LED72_W5_41 LED72_W5_42 LED72_W5_43 LED72_W5_44 LED72_W5_45 LED72_W5_50 LED72_W5_51 LED72_W5_52 LED72_W5_53 LED72_W5_54 LED72_W5_55 LED72_W5_60 LED72_W5_61 LED72_W5_62 LED72_W5_63 LED72_W5_64 LED72_W5_65 LED72_W5_70 LED72_W5_71 LED72_W5_72 LED72_W5_73 LED72_W5_74 LED72_W5_75 LED72_W5_80 LED72_W5_81 LED72_W5_82 LED72_W5_83 LED72_W5_84 LED72_W5_85 LED72_W5_90 LED72_W5_91 LED72_W5_92 LED72_W5_93 LED72_W5_94 LED72_W5_95 LED72_W5_A0 LED72_W5_A1 LED72_W5_A2 LED72_W5_A3 LED72_W5_A4 LED72_W5_A5 LED73_W5_10 LED73_W5_11 LED73_W5_12 LED73_W5_13 LED73_W5_14 LED73_W5_15 LED73_W5_20 LED73_W5_21 LED73_W5_22 LED73_W5_23 LED73_W5_24 LED73_W5_25 LED73_W5_30 LED73_W5_31 LED73_W5_32 LED73_W5_33 LED73_W5_34 LED73_W5_35 LED73_W5_40 LED73_W5_41 LED73_W5_42 LED73_W5_43 LED73_W5_44 LED73_W5_45 LED73_W5_50 LED73_W5_51 LED73_W5_52 LED73_W5_53 LED73_W5_54 LED73_W5_55 LED73_W5_60 LED73_W5_61 LED73_W5_62 LED73_W5_63 LED73_W5_64 LED73_W5_65 LED73_W5_70 LED73_W5_71 LED73_W5_72 LED73_W5_73 LED73_W5_74 LED73_W5_75 LED73_W5_80 LED73_W5_81 LED73_W5_82 LED73_W5_83 LED73_W5_84 LED73_W5_85 LED73_W5_90 LED73_W5_91 LED73_W5_92 LED73_W5_93 LED73_W5_94 LED73_W5_95 LED73_W5_A0 LED73_W5_A1 LED73_W5_A2 LED73_W5_A3 LED73_W5_A4 LED73_W5_A5 LED74_W5_10 LED74_W5_11 LED74_W5_12 LED74_W5_13 LED74_W5_14 LED74_W5_15 LED74_W5_20 LED74_W5_21 LED74_W5_22 LED74_W5_23 LED74_W5_24 LED74_W5_25 LED74_W5_30 LED74_W5_31 LED74_W5_32 LED74_W5_33 LED74_W5_34 LED74_W5_35 LED74_W5_40 LED74_W5_41 LED74_W5_42 LED74_W5_43 LED74_W5_44 LED74_W5_45 LED74_W5_50 LED74_W5_51 LED74_W5_52 LED74_W5_53 LED74_W5_54 LED74_W5_55 LED74_W5_60 LED74_W5_61 LED74_W5_62 LED74_W5_63 LED74_W5_64 LED74_W5_65 LED74_W5_70 LED74_W5_71 LED74_W5_72 LED74_W5_73 LED74_W5_74 LED74_W5_75 LED74_W5_80 LED74_W5_81 LED74_W5_82 LED74_W5_83 LED74_W5_84 LED74_W5_85 LED74_W5_90 LED74_W5_91 LED74_W5_92 LED74_W5_93 LED74_W5_94 LED74_W5_95 LED74_W5_A0 LED74_W5_A1 LED74_W5_A2 LED74_W5_A3 LED74_W5_A4 LED74_W5_A5 LED75_W5_10 LED75_W5_11 LED75_W5_12 LED75_W5_13 LED75_W5_14 LED75_W5_15 LED75_W5_20 LED75_W5_21 LED75_W5_22 LED75_W5_23 LED75_W5_24 LED75_W5_25 LED75_W5_30 LED75_W5_31 LED75_W5_32 LED75_W5_33 LED75_W5_34 LED75_W5_35 LED75_W5_40 LED75_W5_41 LED75_W5_42 LED75_W5_43 LED75_W5_44 LED75_W5_45 LED75_W5_50 LED75_W5_51 LED75_W5_52 LED75_W5_53 LED75_W5_54 LED75_W5_55 LED75_W5_60 LED75_W5_61 LED75_W5_62 LED75_W5_63 LED75_W5_64 LED75_W5_65 LED75_W5_70 LED75_W5_71 LED75_W5_72 LED75_W5_73 LED75_W5_74 LED75_W5_75 LED75_W5_80 LED75_W5_81 LED75_W5_82 LED75_W5_83 LED75_W5_84 LED75_W5_85 LED75_W5_90 LED75_W5_91 LED75_W5_92 LED75_W5_93 LED75_W5_94 LED75_W5_95 LED75_W5_A0 LED75_W5_A1 LED75_W5_A2 LED75_W5_A3 LED75_W5_A4 LED75_W5_A5 LED76_W5_10 LED76_W5_11 LED76_W5_12 LED76_W5_13 LED76_W5_14 LED76_W5_15 LED76_W5_20 LED76_W5_21 LED76_W5_22 LED76_W5_23 LED76_W5_24 LED76_W5_25 LED76_W5_30 LED76_W5_31 LED76_W5_32 LED76_W5_33 LED76_W5_34 LED76_W5_35 LED76_W5_40 LED76_W5_41 LED76_W5_42 LED76_W5_43 LED76_W5_44 LED76_W5_45 LED76_W5_50 LED76_W5_51 LED76_W5_52 LED76_W5_53 LED76_W5_54 LED76_W5_55 LED76_W5_60 LED76_W5_61 LED76_W5_62 LED76_W5_63 LED76_W5_64 LED76_W5_65 LED76_W5_70 LED76_W5_71 LED76_W5_72 LED76_W5_73 LED76_W5_74 LED76_W5_75 LED76_W5_80 LED76_W5_81 LED76_W5_82 LED76_W5_83 LED76_W5_84 LED76_W5_85 LED76_W5_90 LED76_W5_91 LED76_W5_92 LED76_W5_93 LED76_W5_94 LED76_W5_95 LED76_W5_A0 LED76_W5_A1 LED76_W5_A2 LED76_W5_A3 LED76_W5_A4 LED76_W5_A5 LED77_W5_10 LED77_W5_11 LED77_W5_12 LED77_W5_13 LED77_W5_14 LED77_W5_15 LED77_W5_20 LED77_W5_21 LED77_W5_22 LED77_W5_23 LED77_W5_24 LED77_W5_25 LED77_W5_30 LED77_W5_31 LED77_W5_32 LED77_W5_33 LED77_W5_34 LED77_W5_35 LED77_W5_40 LED77_W5_41 LED77_W5_42 LED77_W5_43 LED77_W5_44 LED77_W5_45 LED77_W5_50 LED77_W5_51 LED77_W5_52 LED77_W5_53 LED77_W5_54 LED77_W5_55 LED77_W5_60 LED77_W5_61 LED77_W5_62 LED77_W5_63 LED77_W5_64 LED77_W5_65 LED77_W5_70 LED77_W5_71 LED77_W5_72 LED77_W5_73 LED77_W5_74 LED77_W5_75 LED77_W5_80 LED77_W5_81 LED77_W5_82 LED77_W5_83 LED77_W5_84 LED77_W5_85 LED77_W5_90 LED77_W5_91 LED77_W5_92 LED77_W5_93 LED77_W5_94 LED77_W5_95 LED77_W5_A0 LED77_W5_A1 LED77_W5_A2 LED77_W5_A3 LED77_W5_A4 LED77_W5_A5: library part CMP-02058-1, "SMD LED White 3,3 V, 42,8 lm 3030 (1212)", Color=White, Manufacturer=Nichia, Intensity="42.8 lm", Manufacturer Part Number=NF2W757GT-F1, Optoelectronic Device Type="SINGLE COLOR LED", REACH SVHC="No SVHC", RoHS Compliant=Yes, Vf="3.3 V"